# KiCad board vme-wren.kicad_pcb (continued)
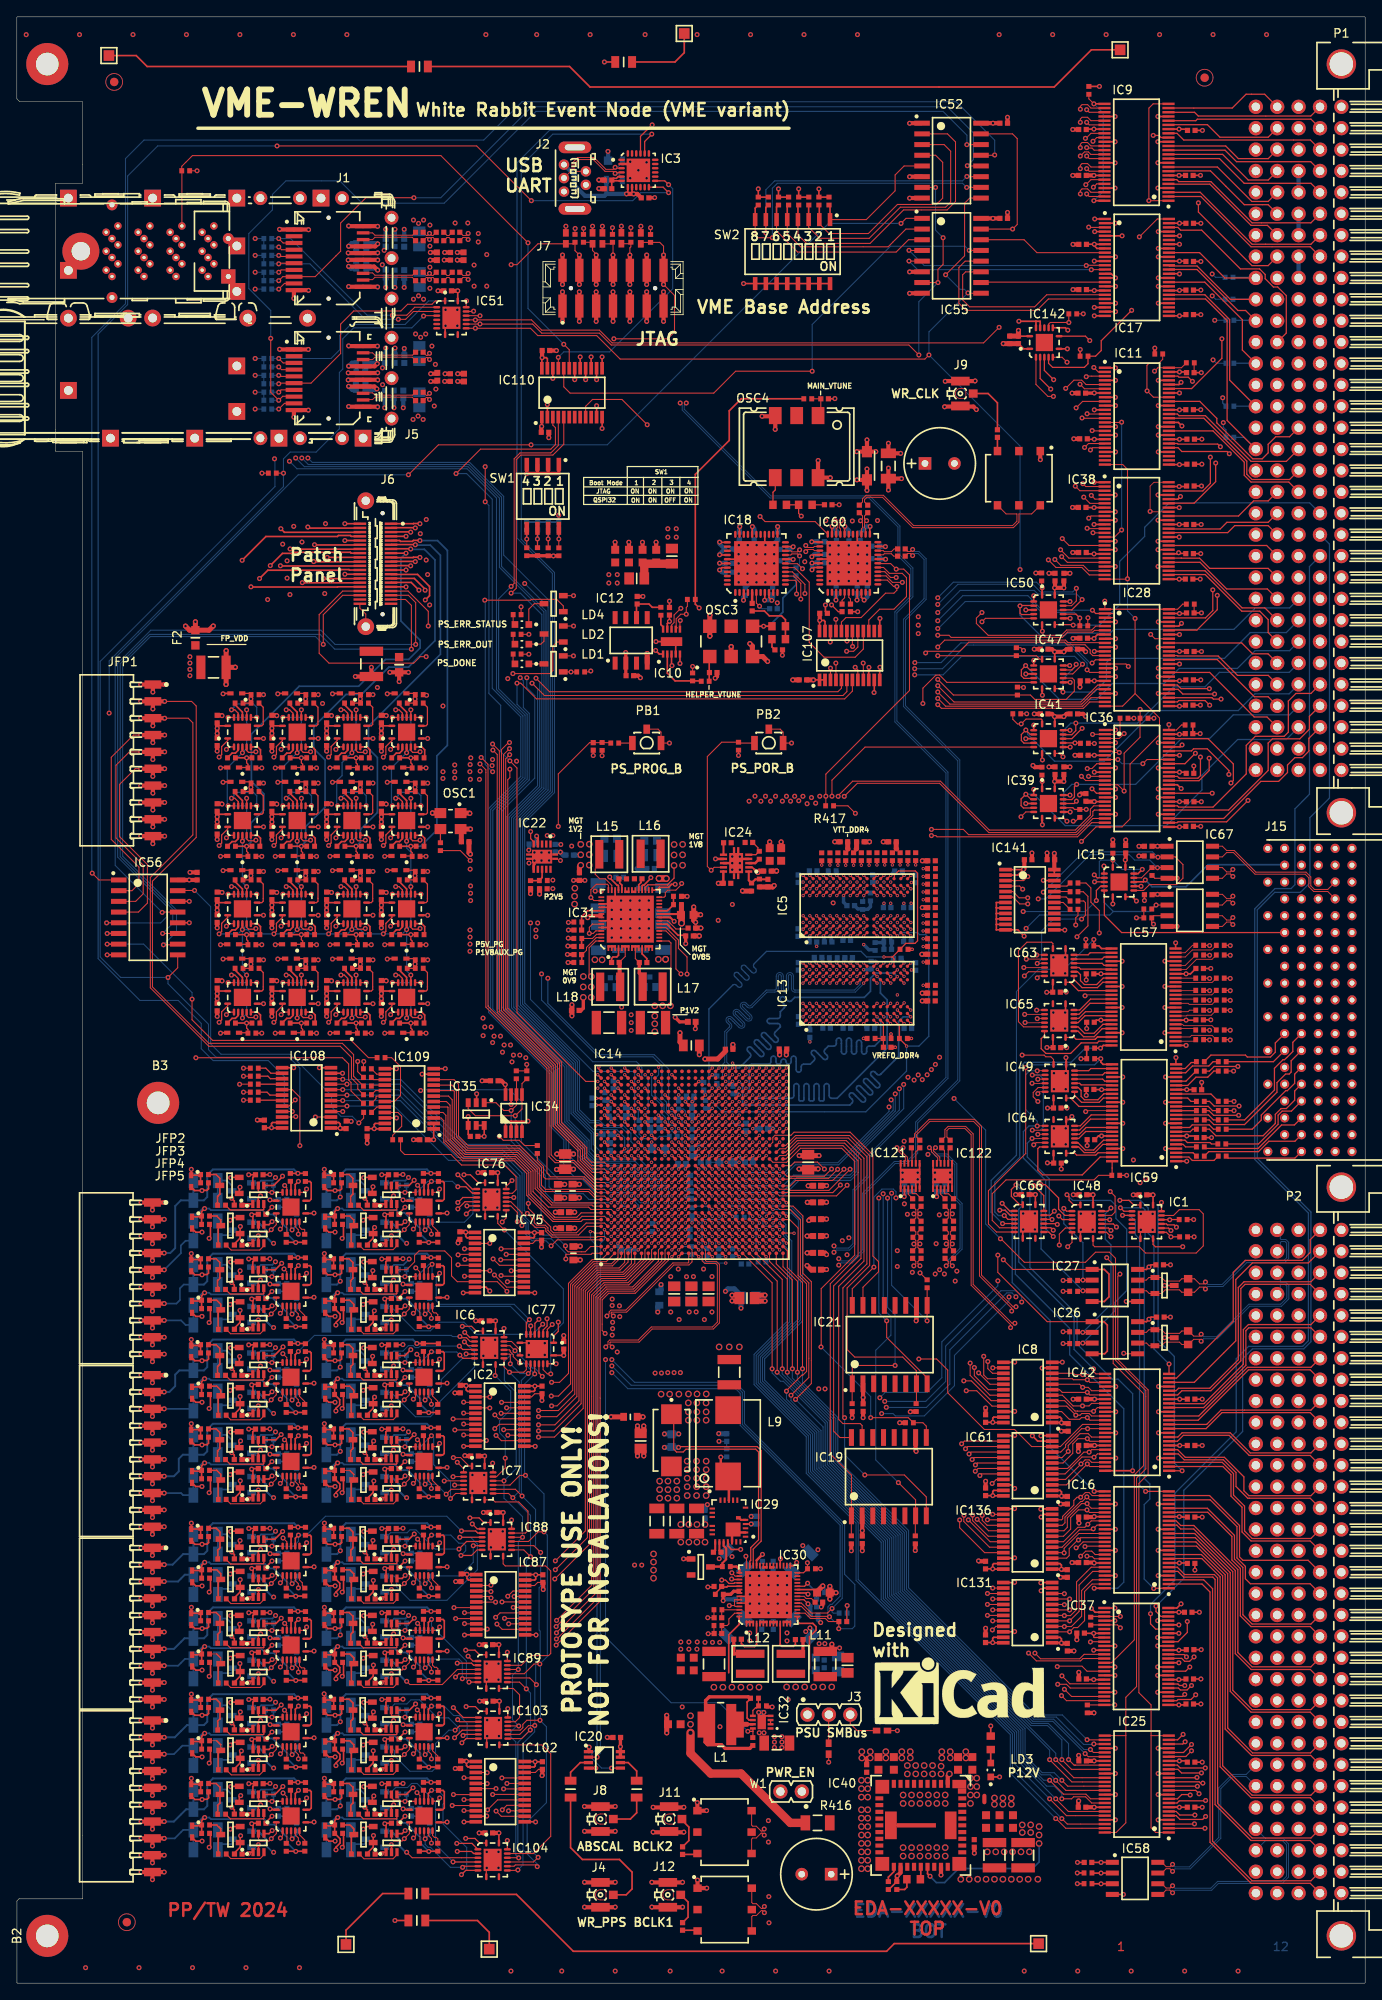
[diagram p0: board, top side]
## Routing (per net, layer and track width the routed paths; a pad name or vN(x,y) marks a point on that pad's centre or on a via; arc(x,y) is an arc through that point) (continued)
/DDR4-PS.BA1: length 62.9
  Top Layer w0.15: v1(103.79,119.5) 103.36,119.93 IC13.N8 ; IC14.W22 84.18,103.86 ; IC5.N8 v1(103.78,129.94)
  Top Layer w0.16: v1(101.22,132.74) 101.22,133.25
  L3 w0.11: v1(103.78,129.94) 103.36,130.35 103.36,130.97 103.16,131.17 101.52,131.17 101.22,131.47 v1(101.22,132.74)
  L8 w0.11: v1(84.19,103.86) 84.19,103.63 84.6,103.22 84.6,102.9 84.86,102.65 86.46,102.65 87.23,101.87 98.29,101.87 99.03,102.61 arc(99.08,102.74) 99.03,102.87 arc(98.98,103) 99.03,103.13 99.08,103.18 arc(99.21,103.23) 99.34,103.18 99.6,102.92 arc(99.73,102.87) 99.86,102.92 99.89,102.96 arc(99.95,103.09) 99.89,103.22 99.63,103.48 arc(99.58,103.61) 99.63,103.74 99.67,103.78 arc(99.8,103.83) 99.93,103.78 100.19,103.52 arc(100.32,103.46) 100.45,103.52 100.49,103.55 arc(100.54,103.68) 100.49,103.81 100.23,104.07 arc(100.17,104.2) 100.23,104.33 100.26,104.37 arc(100.39,104.42) 100.52,104.37 100.79,104.11 arc(100.92,104.06) 101.05,104.11 101.08,104.15 arc(101.14,104.28) 101.08,104.41 100.82,104.67 arc(100.77,104.8) 100.82,104.93 100.86,104.96 arc(100.99,105.02) 101.12,104.96 101.38,104.7 arc(101.51,104.65) 101.64,104.7 101.68,104.74 arc(101.73,104.87) 101.68,105 101.42,105.26 arc(101.36,105.39) 101.42,105.52 101.45,105.56 arc(101.58,105.61) 101.71,105.56 101.97,105.3 arc(102.1,105.24) 102.23,105.3 102.27,105.33 arc(102.32,105.46) 102.27,105.59 102.01,105.85 arc(101.96,105.98) 102.01,106.11 102.05,106.15 arc(102.18,106.2) 102.31,106.15 arc(102.44,106.1) 102.57,106.15 104.96,108.55 104.96,116.95 v1(104.57,117.34)
  L10 w0.11: v1(103.78,129.94) 103.37,129.53 103.37,123.77 arc(103.31,123.62) 103.16,123.56 103,123.56 arc(102.85,123.5) 102.79,123.35 arc(102.85,123.2) 103,123.14 103.16,123.14 arc(103.31,123.08) 103.37,122.93 103.37,122.85 arc(103.33,122.73) 103.21,122.68 arc(103.1,122.63) 103.05,122.52 103.05,122.43 arc(103.1,122.31) 103.21,122.26 103.51,122.26 arc(103.61,122.22) 103.65,122.12 103.65,121.97 arc(103.61,121.87) 103.51,121.83 arc(103.41,121.79) 103.37,121.69 103.37,120.75 arc(103.44,120.6) 103.58,120.54 103.9,120.54 arc(104.05,120.48) 104.11,120.33 arc(104.05,120.18) 103.9,120.12 103.58,120.12 arc(103.44,120.06) 103.37,119.91 v1(103.79,119.5) 104.57,118.71
  L10 w0.125: v1(104.57,117.34) 104.57,118.71
/DDR4-PS.BG0: length 66.7
  Top Layer w0.15: IC14.W24 84.18,105.46 ; IC13.M2 v1(102.96,114.74) ; IC5.M2 v1(102.98,125.14)
  Top Layer w0.16: v1(107.64,129.56) R110.1
  L3 w0.11: v1(102.96,114.74) 102.96,113.23 100.56,110.84 96.9,110.84 96.68,110.61 arc(96.62,110.47) 96.68,110.32 96.95,110.05 arc(97.01,109.9) 96.95,109.75 arc(96.8,109.69) 96.65,109.75 95.82,110.59 arc(95.67,110.65) 95.52,110.59 arc(95.46,110.44) 95.52,110.29 96.35,109.45 arc(96.42,109.31) 96.35,109.16 arc(96.21,109.1) 96.06,109.16 95.22,109.99 arc(95.07,110.05) 94.93,109.99 arc(94.86,109.84) 94.93,109.69 95.76,108.86 arc(95.82,108.71) 95.76,108.56 arc(95.61,108.5) 95.46,108.56 94.63,109.4 arc(94.48,109.46) 94.33,109.4 arc(94.27,109.25) 94.33,109.1 95.17,108.27 arc(95.23,108.12) 95.17,107.97 arc(95.02,107.91) 94.87,107.97 94.03,108.8 arc(93.89,108.87) 93.74,108.8 arc(93.68,108.66) 93.74,108.51 94.57,107.67 arc(94.63,107.52) 94.57,107.38 arc(94.42,107.31) 94.27,107.38 93.44,108.21 arc(93.29,108.27) 93.14,108.21 arc(93.08,108.06) 93.14,107.91 93.98,107.08 arc(94.04,106.93) 93.98,106.78 arc(93.83,106.72) 93.68,106.78 92.85,107.62 arc(92.7,107.68) 92.55,107.62 arc(92.49,107.47) 92.55,107.32 93.38,106.48 arc(93.45,106.34) 93.38,106.19 arc(93.24,106.13) 93.09,106.19 92.82,106.46 arc(92.67,106.52) 92.52,106.46 91.95,105.89 84.62,105.89 v1(84.19,105.46)
  L5 w0.11: v1(102.96,114.74) 102.96,115.63 102.57,116.02 102.57,117.34 arc(102.51,117.48) 102.36,117.55 102.25,117.55 arc(102.1,117.61) 102.04,117.76 arc(102.1,117.9) 102.25,117.97 102.85,117.97 arc(103,118.03) 103.06,118.18 arc(103,118.32) 102.85,118.39 102.78,118.39 arc(102.64,118.45) 102.57,118.6 102.57,118.9 102.9,119.23 102.9,120.46 102.58,120.79 102.58,121.26 arc(102.52,121.41) 102.37,121.47 102.35,121.47 arc(102.2,121.53) 102.14,121.68 arc(102.2,121.83) 102.35,121.89 102.37,121.89 arc(102.52,121.95) 102.58,122.1 arc(102.52,122.25) 102.37,122.31 102.25,122.31 arc(102.1,122.37) 102.04,122.52 arc(102.1,122.67) 102.25,122.73 102.7,122.73 arc(102.78,122.76) 102.81,122.85 102.81,123.03 arc(102.78,123.11) 102.7,123.15 102.25,123.15 arc(102.1,123.21) 102.04,123.36 arc(102.1,123.51) 102.25,123.57 102.37,123.57 arc(102.52,123.63) 102.58,123.78 102.58,124.74 v1(102.98,125.14) 103.01,125.14 103.37,125.5 103.37,126.88 104.05,127.56 106.32,127.56 106.97,128.21 106.97,128.89 v1(107.64,129.56)
/DDR4-PS.CASN: length 63.8
  Top Layer w0.15: IC13.M8 102.56,119.99 v1(102.18,120.37) ; IC14.AC24 87.38,105.46 ; IC5.M8 v1(102.98,129.94)
  Top Layer w0.16: v1(99.37,132.74) 99.37,133.25
  L3 w0.11: v1(102.98,129.94) 102.62,130.3 99.52,130.3 99.37,130.45 v1(99.37,132.74)
  L5 w0.11: v1(102.18,120.37) 102.55,120 102.55,119.38 102.32,119.15 102.01,119.15 101.77,118.91 101.77,115.97 102.55,115.19 102.55,113.43 101.91,112.8 101.91,104.3 97.25,99.64 96.29,99.64 arc(96.19,99.59) 96.15,99.49 arc(96.11,99.39) 96.01,99.35 95.87,99.35 arc(95.77,99.39) 95.73,99.49 95.73,99.8 arc(95.68,99.92) 95.56,99.97 95.48,99.97 arc(95.36,99.92) 95.31,99.8 95.31,99.49 arc(95.27,99.39) 95.16,99.35 95.03,99.35 arc(94.93,99.39) 94.89,99.49 94.89,99.8 arc(94.84,99.92) 94.72,99.97 94.64,99.97 arc(94.52,99.92) 94.47,99.8 94.47,99.49 arc(94.43,99.39) 94.32,99.35 94.19,99.35 arc(94.09,99.39) 94.05,99.49 94.05,99.8 arc(94,99.92) 93.88,99.97 93.8,99.97 arc(93.68,99.92) 93.63,99.8 93.63,99.49 arc(93.59,99.39) 93.48,99.35 93.35,99.35 arc(93.25,99.39) 93.21,99.49 93.21,99.8 arc(93.16,99.92) 93.04,99.97 92.95,99.97 arc(92.83,99.92) 92.78,99.8 arc(92.73,99.69) 92.61,99.64 92.06,99.64 91.19,100.51 89.39,100.51 87.8,102.1 87.8,102.42 87,103.22 87,105.07 v1(87.39,105.46)
  L10 w0.11: v1(102.98,129.94) 102.57,129.53 102.57,128.53 arc(102.51,128.38) 102.36,128.32 102.23,128.32 arc(102.09,128.26) 102.02,128.11 arc(102.09,127.96) 102.23,127.9 102.77,127.9 arc(102.92,127.84) 102.97,127.7 102.97,127.68 arc(102.92,127.54) 102.77,127.48 arc(102.63,127.42) 102.57,127.28 102.57,123.99 arc(102.51,123.84) 102.36,123.78 102.33,123.78 arc(102.19,123.72) 102.12,123.57 arc(102.19,123.42) 102.33,123.36 102.36,123.36 arc(102.51,123.3) 102.57,123.15 102.57,123.13 arc(102.52,122.99) 102.37,122.93 arc(102.23,122.87) 102.17,122.73 102.17,122.71 arc(102.23,122.57) 102.37,122.51 102.67,122.51 arc(102.74,122.48) 102.77,122.41 102.77,122.19 arc(102.74,122.12) 102.67,122.09 102.23,122.09 arc(102.09,122.03) 102.02,121.88 arc(102.09,121.73) 102.23,121.67 102.36,121.67 arc(102.51,121.61) 102.57,121.46 102.57,120.76 v1(102.18,120.37)
/DDR4-PS.CK_N: length 57.2
  Top Layer w0.115: v1(100.58,129.94) IC5.K8 ; v1(100.56,119.54) IC13.K8 ; IC14.W26 84.18,107.06
  L5 w0.1: v1(100.58,129.94) 100.2,129.56 100.2,128.69 101.12,127.77 101.12,123.15 arc(101.04,122.95) 100.84,122.87 100.69,122.87 arc(100.3,122.71) 100.15,122.33 arc(100.3,121.94) 100.69,121.79 100.84,121.79 arc(101.04,121.7) 101.12,121.51 101.12,119.49 100.9,119.27 100.83,119.27 v1(100.56,119.54)
  Bottom Layer w0.115: v1(84.19,107.06) 83.81,107.44 83.81,109.08 84.07,109.34 84.07,112.98 84.62,113.52 arc(84.67,113.65) 84.62,113.78 84.33,114.06 arc(84.21,114.36) 84.33,114.66 arc(84.63,114.78) 84.93,114.66 85.92,113.66 arc(86.05,113.61) 86.18,113.66 arc(86.23,113.79) 86.18,113.92 85.18,114.91 arc(85.06,115.21) 85.18,115.51 arc(85.48,115.63) 85.78,115.51 86.77,114.51 arc(86.9,114.46) 87.03,114.51 arc(87.08,114.64) 87.03,114.77 86.03,115.76 arc(85.91,116.06) 86.03,116.35 arc(86.33,116.48) 86.62,116.35 86.91,116.07 arc(87.04,116.02) 87.16,116.07 89,117.91 90.01,117.91 arc(90.13,117.96) 90.19,118.09 90.19,119.57 arc(90.31,119.87) 90.61,119.99 arc(90.9,119.87) 91.03,119.57 91.03,118.09 arc(91.08,117.96) 91.21,117.91 arc(91.33,117.96) 91.39,118.09 91.39,119.57 arc(91.51,119.87) 91.81,119.99 arc(92.1,119.87) 92.23,119.57 92.23,118.09 arc(92.28,117.96) 92.41,117.91 99.48,117.91 100.14,118.58 100.14,119.12 v1(100.56,119.54) ; R112.1 101.16,129.66 100.86,129.66 v1(100.58,129.94)
/DDR4-PS.CK_P: length 56.3
  Top Layer w0.115: IC14.W25 84.18,106.26 ; v1(100.58,129.14) IC5.K7 ; v1(100.56,118.74) IC13.K7
  L5 w0.1: v1(100.56,118.74) 100.83,119.01 101,119.01 101.38,119.39 101.38,121.51 arc(101.23,121.89) 100.84,122.05 100.69,122.05 arc(100.49,122.13) 100.41,122.33 arc(100.49,122.52) 100.69,122.61 100.84,122.61 arc(101.23,122.76) 101.38,123.15 101.38,127.88 100.58,128.68 v1(100.58,129.14)
  Bottom Layer w0.115: v1(100.56,118.74) 100.56,118.66 99.58,117.67 92.41,117.67 arc(92.11,117.79) 91.99,118.09 91.99,119.57 arc(91.93,119.7) 91.81,119.75 arc(91.68,119.7) 91.63,119.57 91.63,118.09 arc(91.5,117.79) 91.21,117.67 arc(90.91,117.79) 90.79,118.09 90.79,119.57 arc(90.73,119.7) 90.61,119.75 arc(90.48,119.7) 90.43,119.57 90.43,118.09 arc(90.3,117.79) 90.01,117.67 89.1,117.67 87.33,115.9 arc(87.04,115.78) 86.74,115.9 86.46,116.19 arc(86.33,116.24) 86.2,116.19 arc(86.15,116.06) 86.2,115.93 87.2,114.94 arc(87.32,114.64) 87.2,114.34 arc(86.9,114.22) 86.6,114.34 85.61,115.34 arc(85.48,115.39) 85.35,115.34 arc(85.3,115.21) 85.35,115.08 86.35,114.09 arc(86.47,113.79) 86.35,113.49 arc(86.05,113.37) 85.75,113.49 84.76,114.49 arc(84.63,114.54) 84.5,114.49 arc(84.45,114.36) 84.5,114.23 84.79,113.95 arc(84.91,113.65) 84.79,113.35 84.31,112.88 84.31,109.34 84.57,109.08 84.57,106.9 84.19,106.52 v1(84.19,106.26) ; R111.1 100.58,128.55 v1(100.58,129.14)
/DDR4-PS.CKE: length 70.2
  Top Layer w0.15: v1(100.58,125.14) IC5.K2 ; v1(100.56,114.74) IC13.K2 ; IC14.V28 83.38,108.66
  Top Layer w0.16: v1(96.56,132.75) R96.1
  L3 w0.11: v1(83.39,108.66) 83.39,109.21 arc(83.45,109.36) 83.6,109.42 83.77,109.42 arc(83.92,109.49) 83.98,109.63 arc(83.92,109.78) 83.77,109.84 83.06,109.84 arc(82.91,109.91) 82.85,110.05 arc(82.91,110.2) 83.06,110.26 83.77,110.26 arc(83.92,110.33) 83.98,110.47 arc(83.92,110.62) 83.77,110.68 83.06,110.68 arc(82.91,110.75) 82.85,110.89 arc(82.91,111.04) 83.06,111.1 83.72,111.1 arc(83.87,111.17) 83.93,111.31 arc(83.87,111.46) 83.72,111.52 83.06,111.52 arc(82.91,111.59) 82.85,111.73 arc(82.91,111.88) 83.06,111.94 83.77,111.94 arc(83.92,112.01) 83.98,112.15 arc(83.92,112.3) 83.77,112.36 83.06,112.36 arc(82.91,112.43) 82.85,112.57 arc(82.91,112.72) 83.06,112.78 83.72,112.78 arc(83.87,112.85) 83.93,112.99 arc(83.87,113.14) 83.72,113.2 83.6,113.2 arc(83.45,113.27) 83.39,113.41 83.39,113.89 83.72,114.23 arc(83.87,114.29) 84.02,114.23 84.14,114.11 arc(84.29,114.04) 84.44,114.11 arc(84.5,114.25) 84.44,114.4 83.9,114.94 arc(83.84,115.09) 83.9,115.24 arc(84.05,115.3) 84.2,115.24 84.32,115.12 arc(84.47,115.06) 84.61,115.12 84.63,115.13 85.57,115.13 arc(85.7,115.08) 85.76,114.94 arc(85.82,114.8) 85.95,114.75 86,114.75 arc(86.13,114.8) 86.19,114.94 86.19,115.51 arc(86.25,115.66) 86.4,115.72 arc(86.55,115.66) 86.61,115.51 86.61,114.9 arc(86.67,114.75) 86.82,114.69 arc(86.97,114.75) 87.03,114.9 87.03,115.51 arc(87.09,115.66) 87.24,115.72 arc(87.39,115.66) 87.45,115.51 87.45,114.9 arc(87.51,114.75) 87.66,114.69 arc(87.81,114.75) 87.87,114.9 87.87,115.51 arc(87.93,115.66) 88.08,115.72 arc(88.23,115.66) 88.29,115.51 88.29,114.9 arc(88.35,114.75) 88.5,114.69 arc(88.65,114.75) 88.71,114.9 88.71,115.51 arc(88.77,115.66) 88.92,115.72 arc(89.07,115.66) 89.13,115.51 89.13,114.9 arc(89.19,114.75) 89.34,114.69 arc(89.49,114.75) 89.55,114.9 89.55,115.51 arc(89.61,115.66) 89.76,115.72 arc(89.91,115.66) 89.97,115.51 89.97,114.75 arc(90.03,114.6) 90.18,114.54 arc(90.33,114.6) 90.39,114.75 90.39,114.92 arc(90.45,115.07) 90.6,115.13 100.17,115.13 v1(100.56,114.74) 100.98,115.15 100.98,119.36 arc(101.02,119.47) 101.13,119.51 arc(101.23,119.56) 101.28,119.66 101.28,119.78 arc(101.23,119.89) 101.13,119.93 arc(101.02,119.98) 100.98,120.08 100.98,120.2 arc(101.02,120.31) 101.13,120.35 arc(101.23,120.4) 101.28,120.5 101.28,120.62 arc(101.23,120.73) 101.13,120.77 arc(101.02,120.82) 100.98,120.92 100.98,121.04 arc(101.02,121.15) 101.13,121.19 arc(101.23,121.24) 101.28,121.34 101.28,121.46 arc(101.23,121.57) 101.13,121.61 100.83,121.61 arc(100.72,121.66) 100.68,121.76 100.68,121.88 arc(100.72,121.99) 100.83,122.03 101.13,122.03 arc(101.23,122.08) 101.28,122.18 101.28,122.3 arc(101.23,122.41) 101.13,122.45 100.83,122.45 arc(100.72,122.5) 100.68,122.6 100.68,122.72 arc(100.72,122.83) 100.83,122.87 101.13,122.87 arc(101.23,122.92) 101.28,123.02 101.28,123.14 arc(101.23,123.25) 101.13,123.29 arc(101.02,123.34) 100.98,123.44 100.98,123.56 arc(101.02,123.67) 101.13,123.71 arc(101.23,123.76) 101.28,123.86 101.28,123.98 arc(101.23,124.09) 101.13,124.13 arc(101.02,124.18) 100.98,124.28 100.98,124.74 v1(100.58,125.14)
  L10 w0.11: v1(100.58,125.14) 100.97,125.52 100.97,131.88 100.56,132.29 97.03,132.29 v1(96.56,132.75)
/DDR4-PS.CSN: length 64.7
  Top Layer w0.15: IC13.L7 v1(102.16,118.74) ; IC14.W27 84.18,107.86 ; IC5.L7 v1(102.18,129.14)
  Top Layer w0.16: v1(98.44,132.73) 98.44,133.25
  L3 w0.11: v1(98.44,132.73) 98.44,131.79 98.62,131.61 98.62,129.6 98.72,129.5 101.82,129.5 v1(102.18,129.14)
  L8 w0.11: v1(102.18,129.14) 101.78,128.74 101.78,124.53 arc(101.72,124.4) 101.59,124.35 arc(101.46,124.29) 101.41,124.16 101.41,124.11 arc(101.46,123.98) 101.59,123.93 101.97,123.93 arc(102.1,123.87) 102.15,123.74 102.15,123.7 arc(102.1,123.56) 101.97,123.51 101.59,123.51 arc(101.46,123.45) 101.41,123.32 101.41,123.26 arc(101.46,123.13) 101.59,123.08 arc(101.72,123.02) 101.78,122.89 101.78,122.84 arc(101.72,122.71) 101.59,122.65 arc(101.46,122.6) 101.41,122.47 101.41,122.42 arc(101.46,122.29) 101.59,122.23 arc(101.72,122.18) 101.78,122.05 101.78,122 arc(101.72,121.87) 101.59,121.81 arc(101.46,121.76) 101.41,121.63 101.41,121.58 arc(101.46,121.45) 101.59,121.39 arc(101.72,121.34) 101.78,121.21 101.78,121.16 arc(101.72,121.03) 101.59,120.97 arc(101.46,120.92) 101.41,120.79 101.41,120.74 arc(101.46,120.61) 101.59,120.55 arc(101.72,120.5) 101.78,120.37 101.78,120.32 arc(101.72,120.19) 101.59,120.13 arc(101.46,120.08) 101.41,119.95 101.41,119.9 arc(101.46,119.77) 101.59,119.71 arc(101.72,119.66) 101.78,119.53 101.78,119.12 v1(102.16,118.74)
  L10 w0.11: v1(102.16,118.74) 101.46,119.43 101.46,120.44 101.05,120.85 101.05,121.9 99.11,123.84 87.3,123.84 84.55,121.09 84.55,120.79 arc(84.61,120.66) 84.74,120.6 arc(84.87,120.55) 84.93,120.42 84.93,120.36 arc(84.87,120.22) 84.74,120.17 84.36,120.17 arc(84.23,120.11) 84.18,119.98 84.18,119.94 arc(84.23,119.8) 84.36,119.75 84.74,119.75 arc(84.87,119.69) 84.93,119.56 84.93,119.52 arc(84.87,119.38) 84.74,119.33 84.36,119.33 arc(84.23,119.27) 84.18,119.14 84.18,119.1 arc(84.23,118.96) 84.36,118.91 84.74,118.91 arc(84.87,118.85) 84.93,118.72 84.93,118.68 arc(84.87,118.54) 84.74,118.49 84.36,118.49 arc(84.23,118.43) 84.18,118.3 84.18,118.26 arc(84.23,118.12) 84.36,118.07 84.74,118.07 arc(84.87,118.01) 84.93,117.88 84.93,117.84 arc(84.87,117.7) 84.74,117.65 84.36,117.65 arc(84.23,117.59) 84.18,117.46 84.18,117.42 arc(84.23,117.28) 84.36,117.23 84.74,117.23 arc(84.87,117.17) 84.93,117.04 84.93,117 arc(84.87,116.86) 84.74,116.81 84.37,116.81 arc(84.23,116.75) 84.18,116.62 84.18,116.58 arc(84.23,116.44) 84.37,116.39 arc(84.5,116.33) 84.55,116.2 84.55,109.57 83.8,108.82 83.8,108.25 v1(84.19,107.86)
/DDR4-PS.DM0: length 28.7
  Top Layer w0.15: v1(96.56,118.74) IC13.E7 ; IC14.AG20 90.58,102.26
  L5 w0.11: v1(90.59,102.26) 90.99,102.66 95.12,102.66 97.33,104.86 arc(97.38,105) 97.33,105.14 arc(97.27,105.28) 97.33,105.42 97.34,105.44 arc(97.48,105.5) 97.62,105.44 arc(97.76,105.38) 97.9,105.44 98.52,106.06 98.52,116.94 99.36,117.78 99.36,119.74 99.16,119.94 97.94,119.94 97.72,119.72 97.72,119.39 97.51,119.17 97,119.17 v1(96.56,118.74)
/DDR4-PS.DM1: length 29.2
  Top Layer w0.15: IC14.AE23 88.98,104.66 ; v1(96.56,114.74) IC13.E2
  L10 w0.11: v1(96.56,114.74) 96.16,114.34 96.16,112.93 97.38,111.71 97.38,111.21 arc(97.32,111.06) 97.17,111 97.17,111 arc(97.02,110.93) 96.96,110.79 arc(97.02,110.64) 97.17,110.58 97.85,110.58 arc(97.99,110.51) 98.06,110.37 arc(97.99,110.22) 97.85,110.16 97.25,110.16 arc(97.16,110.12) 97.12,110.02 97.12,109.87 arc(97.16,109.77) 97.25,109.74 97.8,109.74 arc(97.94,109.67) 98.01,109.53 arc(97.94,109.38) 97.8,109.32 97.25,109.32 arc(97.16,109.28) 97.12,109.18 97.12,109.03 arc(97.16,108.93) 97.25,108.9 97.75,108.9 arc(97.89,108.83) 97.96,108.69 arc(97.89,108.54) 97.75,108.48 97.25,108.48 arc(97.16,108.44) 97.12,108.34 97.12,108.19 arc(97.16,108.09) 97.25,108.06 97.8,108.06 arc(97.94,107.99) 98.01,107.85 arc(97.94,107.7) 97.8,107.64 96.92,107.64 arc(96.77,107.57) 96.71,107.43 arc(96.77,107.28) 96.92,107.22 97.17,107.22 arc(97.32,107.15) 97.38,107.01 97.38,106.54 97.03,106.19 arc(96.97,106.04) 97.03,105.89 97.21,105.71 arc(97.27,105.56) 97.21,105.41 arc(97.06,105.35) 96.91,105.41 96.55,105.78 arc(96.5,105.8) 96.46,105.78 96.25,105.57 arc(96.23,105.53) 96.25,105.48 96.62,105.12 arc(96.68,104.97) 96.62,104.82 arc(96.47,104.76) 96.32,104.82 95.95,105.19 arc(95.91,105.2) 95.88,105.19 95.64,104.95 arc(95.63,104.91) 95.64,104.87 arc(95.66,104.84) 95.64,104.8 95.11,104.26 89.39,104.26 v1(88.99,104.66)
/DDR4-PS.DM2: length 37.5
  Top Layer w0.15: IC14.AE25 88.98,106.26 ; v1(96.58,129.14) IC5.E7
  L8 w0.11: v1(96.58,129.14) 95.71,128.26 91.38,128.26 89.38,126.26 89.38,113.06 arc(89.44,112.91) 89.59,112.85 90.07,112.85 arc(90.22,112.78) 90.28,112.64 arc(90.22,112.49) 90.07,112.43 89.14,112.43 arc(88.99,112.36) 88.93,112.22 arc(88.99,112.07) 89.14,112.01 90.07,112.01 arc(90.22,111.94) 90.28,111.8 arc(90.22,111.65) 90.07,111.59 89.14,111.59 arc(88.99,111.52) 88.93,111.38 arc(88.99,111.23) 89.14,111.17 90.07,111.17 arc(90.22,111.1) 90.28,110.96 arc(90.22,110.81) 90.07,110.75 89.14,110.75 arc(88.99,110.68) 88.93,110.54 arc(88.99,110.39) 89.14,110.33 89.77,110.33 arc(89.92,110.26) 89.98,110.12 arc(89.92,109.97) 89.77,109.91 89.59,109.91 arc(89.44,109.84) 89.38,109.7 89.38,106.65 v1(88.99,106.26)
/DDR4-PS.DM3: length 32.7
  Top Layer w0.15: v1(96.58,125.14) IC5.E2 ; IC14.AE28 88.98,108.66
  L5 w0.11: v1(96.58,125.14) 96.95,124.76 99.06,124.76 99.36,124.47 99.36,122.03 99.17,121.84 93.55,121.84 92.89,121.17 92.89,120.09 arc(92.82,119.94) 92.68,119.88 92.55,119.88 arc(92.4,119.81) 92.34,119.67 arc(92.4,119.52) 92.55,119.46 92.68,119.46 arc(92.82,119.39) 92.89,119.25 arc(92.82,119.1) 92.68,119.04 92.55,119.04 arc(92.4,118.97) 92.34,118.83 arc(92.4,118.68) 92.55,118.62 92.68,118.62 arc(92.82,118.55) 92.89,118.41 92.89,108.37 91.95,107.43 90.47,107.43 90.19,107.71 90.19,107.97 89.87,108.29 89.36,108.29 v1(88.99,108.66)
/DDR4-PS.DQ0: length 28.4
  Top Layer w0.15: v1(98.16,114.74) IC13.G2 ; IC14.AH21 91.38,103.06
  L5 w0.1: 94.42,103.06 94.44,103.06 97.52,106.14
  L5 w0.11: 97.52,106.14 97.52,107.16 arc(97.58,107.3) 97.73,107.37 97.91,107.37 arc(98.06,107.43) 98.12,107.58 arc(98.06,107.72) 97.91,107.79 97.13,107.79 arc(96.98,107.85) 96.92,108 arc(96.98,108.14) 97.13,108.21 97.91,108.21 arc(98.06,108.27) 98.12,108.42 arc(98.06,108.56) 97.91,108.63 97.13,108.63 arc(96.98,108.69) 96.92,108.84 arc(96.98,108.98) 97.13,109.05 97.91,109.05 arc(98.06,109.11) 98.12,109.26 arc(98.06,109.4) 97.91,109.47 97.13,109.47 arc(96.98,109.53) 96.92,109.68 arc(96.98,109.82) 97.13,109.89 97.91,109.89 arc(98.06,109.95) 98.12,110.1 arc(98.06,110.24) 97.91,110.31 97.13,110.31 arc(96.98,110.37) 96.92,110.52 arc(96.98,110.66) 97.13,110.73 97.91,110.73 arc(98.06,110.79) 98.12,110.94 arc(98.06,111.08) 97.91,111.15 97.13,111.15 arc(96.98,111.21) 96.92,111.36 arc(96.98,111.5) 97.13,111.57 97.91,111.57 arc(98.06,111.63) 98.12,111.78 arc(98.06,111.92) 97.91,111.99 97.73,111.99 arc(97.58,112.05) 97.52,112.2 97.52,112.71 97.8,112.99 97.8,114.37 v1(98.16,114.74) ; 94.42,103.06 v1(91.39,103.06)
/DDR4-PS.DQ1: length 29
  Top Layer w0.15: IC14.AD21 88.18,103.06 ; v1(97.36,118.74) IC13.F7
  L5 w0.11: v1(97.36,118.74) 96.68,118.05 94.6,118.05 93.76,117.21 93.76,113.24 arc(93.7,113.09) 93.55,113.03 93.51,113.03 arc(93.36,112.97) 93.3,112.82 arc(93.36,112.67) 93.51,112.61 94.01,112.61 arc(94.16,112.55) 94.22,112.4 arc(94.16,112.25) 94.01,112.19 93.51,112.19 arc(93.36,112.13) 93.3,111.98 arc(93.36,111.83) 93.51,111.77 93.55,111.77 arc(93.7,111.71) 93.76,111.56 arc(93.7,111.41) 93.55,111.35 93.51,111.35 arc(93.36,111.29) 93.3,111.14 arc(93.36,110.99) 93.51,110.93 94.01,110.93 arc(94.16,110.87) 94.22,110.72 arc(94.16,110.57) 94.01,110.51 93.51,110.51 arc(93.36,110.45) 93.3,110.3 arc(93.36,110.15) 93.51,110.09 94.01,110.09 arc(94.16,110.03) 94.22,109.88 arc(94.16,109.73) 94.01,109.67 93.51,109.67 arc(93.36,109.61) 93.3,109.46 arc(93.36,109.31) 93.51,109.25 93.55,109.25 arc(93.7,109.19) 93.76,109.04 93.76,108.43 91.95,106.62 90.44,106.62 90.15,106.34 90.15,106.11 89.9,105.86 89.68,105.86 89.37,105.56 89.37,105.33 89.11,105.07 88.89,105.07 88.58,104.76 88.58,104.53 88.27,104.22 88.04,104.22 87.83,104.01 87.83,103.42 v1(88.19,103.06)
/DDR4-PS.DQ2: length 29
  Top Layer w0.15: v1(98.96,116.34) IC13.H3 ; IC14.AD20 88.18,102.26
  L5 w0.11: v1(98.96,116.34) IC13.H3 99.36,115.36 99.6,115.12 99.92,115.12 100.16,114.88 100.16,105.61 97.53,102.98 arc(97.39,102.93) 97.25,102.98 arc(97.12,103.04) 96.98,102.98 96.96,102.96 arc(96.9,102.82) 96.96,102.69 97.22,102.43 arc(97.27,102.31) 97.22,102.19 97.16,102.13 arc(97.04,102.08) 96.92,102.13 96.66,102.39 arc(96.52,102.45) 96.38,102.39 96.36,102.37 arc(96.3,102.23) 96.36,102.09 96.62,101.84 arc(96.67,101.72) 96.62,101.6 96.53,101.51 arc(96.41,101.47) 96.3,101.51 arc(96.18,101.56) 96.06,101.51 95.66,101.11 94.3,101.11 93.55,101.86 88.59,101.86 v1(88.19,102.26)
/DDR4-PS.DQ3: length 29
  Top Layer w0.15: v1(98.96,118.74) IC13.H7 ; IC14.AF20 89.78,102.26
  L5 w0.11: v1(89.79,102.26) 89.43,102.62 89.43,104.01 89.68,104.26 89.9,104.26 90.17,104.53 90.17,104.76 90.48,105.06 92.28,105.06 95.36,108.14 95.36,110.43 arc(95.3,110.57) 95.15,110.64 95.1,110.64 arc(94.95,110.7) 94.89,110.85 arc(94.95,110.99) 95.1,111.06 95.62,111.06 arc(95.77,111.12) 95.83,111.27 arc(95.77,111.41) 95.62,111.48 95.1,111.48 arc(94.95,111.54) 94.89,111.69 arc(94.95,111.83) 95.1,111.9 95.62,111.9 arc(95.77,111.96) 95.83,112.11 arc(95.77,112.25) 95.62,112.32 95.1,112.32 arc(94.95,112.38) 94.89,112.53 arc(94.95,112.67) 95.1,112.74 95.62,112.74 arc(95.77,112.8) 95.83,112.95 arc(95.77,113.09) 95.62,113.16 95.1,113.16 arc(94.95,113.22) 94.89,113.37 arc(94.95,113.51) 95.1,113.58 95.15,113.58 arc(95.3,113.64) 95.36,113.79 95.36,116.7 95.95,117.29 97.52,117.29 v1(98.96,118.74)
/DDR4-PS.DQ4: length 29.5
  Top Layer w0.15: IC14.AH20 91.38,102.26 ; v1(98.96,114.74) IC13.H2
  L5 w0.11: v1(98.96,114.74) 99.36,114.34 99.36,113.55 arc(99.3,113.41) 99.16,113.35 arc(99.02,113.29) 98.96,113.15 98.96,113.13 arc(99.02,112.99) 99.16,112.93 99.56,112.93 arc(99.7,112.87) 99.76,112.73 99.76,112.71 arc(99.7,112.57) 99.56,112.51 99.16,112.51 arc(99.02,112.45) 98.96,112.31 98.96,112.29 arc(99.02,112.15) 99.16,112.09 99.56,112.09 arc(99.7,112.03) 99.76,111.89 99.76,111.87 arc(99.7,111.73) 99.56,111.67 99.16,111.67 arc(99.02,111.61) 98.96,111.47 98.96,111.45 arc(99.02,111.31) 99.16,111.25 99.56,111.25 arc(99.7,111.19) 99.76,111.05 99.76,111.03 arc(99.7,110.89) 99.56,110.83 99.16,110.83 arc(99.02,110.77) 98.96,110.63 98.96,110.61 arc(99.02,110.47) 99.16,110.41 99.56,110.41 arc(99.7,110.35) 99.76,110.21 99.76,110.19 arc(99.7,110.05) 99.56,109.99 99.16,109.99 arc(99.02,109.93) 98.96,109.79 98.96,109.77 arc(99.02,109.63) 99.16,109.57 99.56,109.57 arc(99.7,109.51) 99.76,109.37 99.76,109.35 arc(99.7,109.21) 99.56,109.15 99.16,109.15 arc(99.02,109.09) 98.96,108.95 98.96,108.93 arc(99.02,108.79) 99.16,108.73 99.56,108.73 arc(99.7,108.67) 99.76,108.53 99.76,108.51 arc(99.7,108.37) 99.56,108.31 99.16,108.31 arc(99.02,108.25) 98.96,108.11 98.96,108.09 arc(99.02,107.95) 99.16,107.89 99.56,107.89 arc(99.7,107.83) 99.76,107.69 99.76,107.67 arc(99.7,107.53) 99.56,107.47 99.16,107.47 arc(99.02,107.41) 98.96,107.27 98.96,107.25 arc(99.02,107.11) 99.16,107.05 99.56,107.05 arc(99.7,106.99) 99.76,106.85 99.76,106.83 arc(99.7,106.69) 99.56,106.63 arc(99.42,106.57) 99.36,106.43 99.36,105.82 97.67,104.13 95.8,102.26 v1(91.39,102.26)
